# Altium PCB e-VEREST.PcbDoc (part 1 of 3)
Units mm, origin at the board's own origin, x right, y up, seen from the top; angles counter-clockwise.
Board outline 40 x 16 mm, 6 copper layers (Top Layer, InLayer1 (GND), InLayer2 (Signal), InLayer3 (PWR), InLayer4 (GND), Bottom Layer), stack 1.567 mm thick; 132 components, 181 nets, 912 pads, 411 vias.
Unrouted connection lines stored in the file: 2.
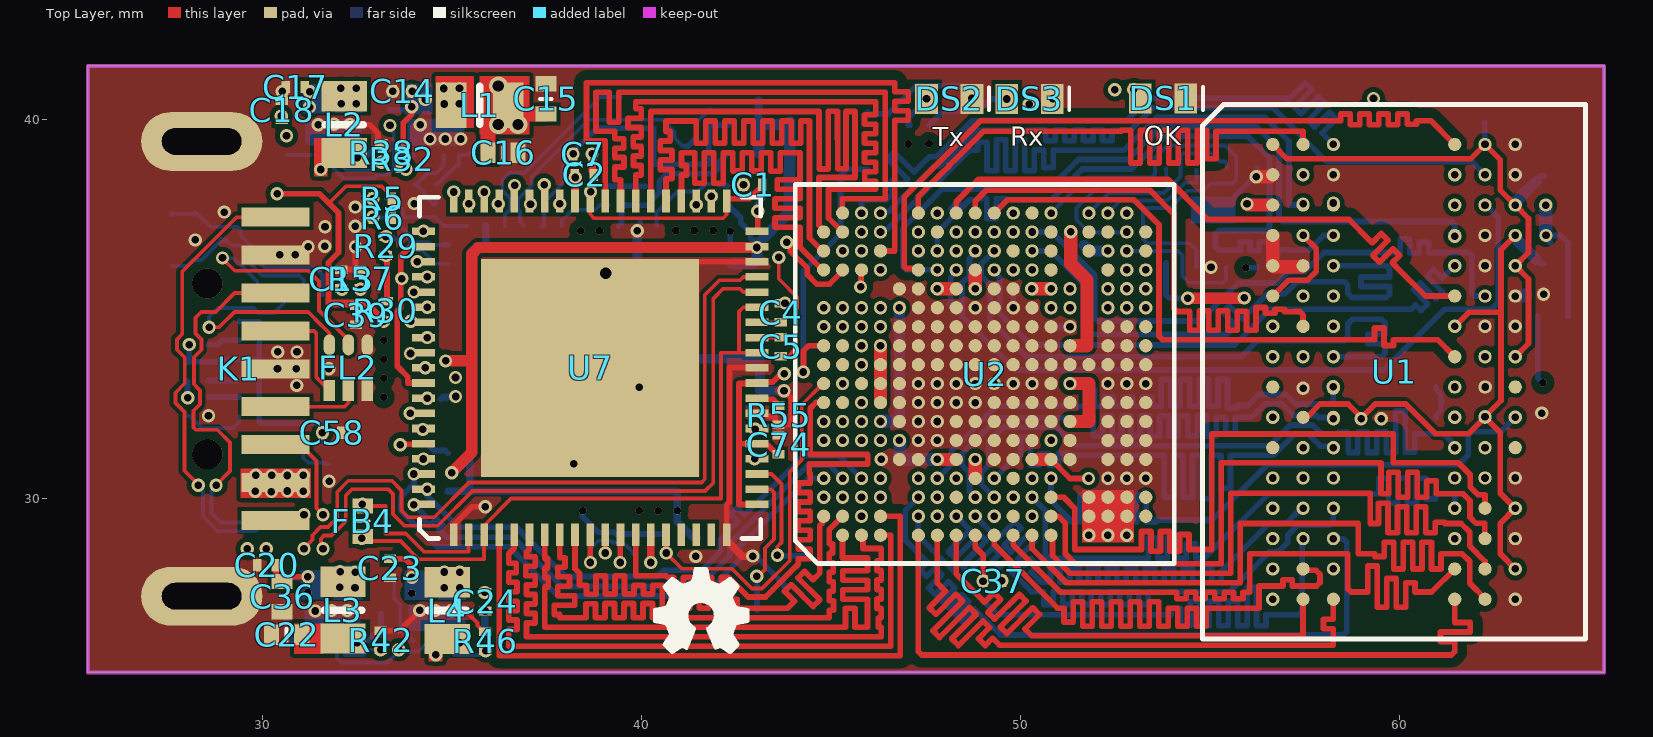
[diagram p0: Top Layer view]
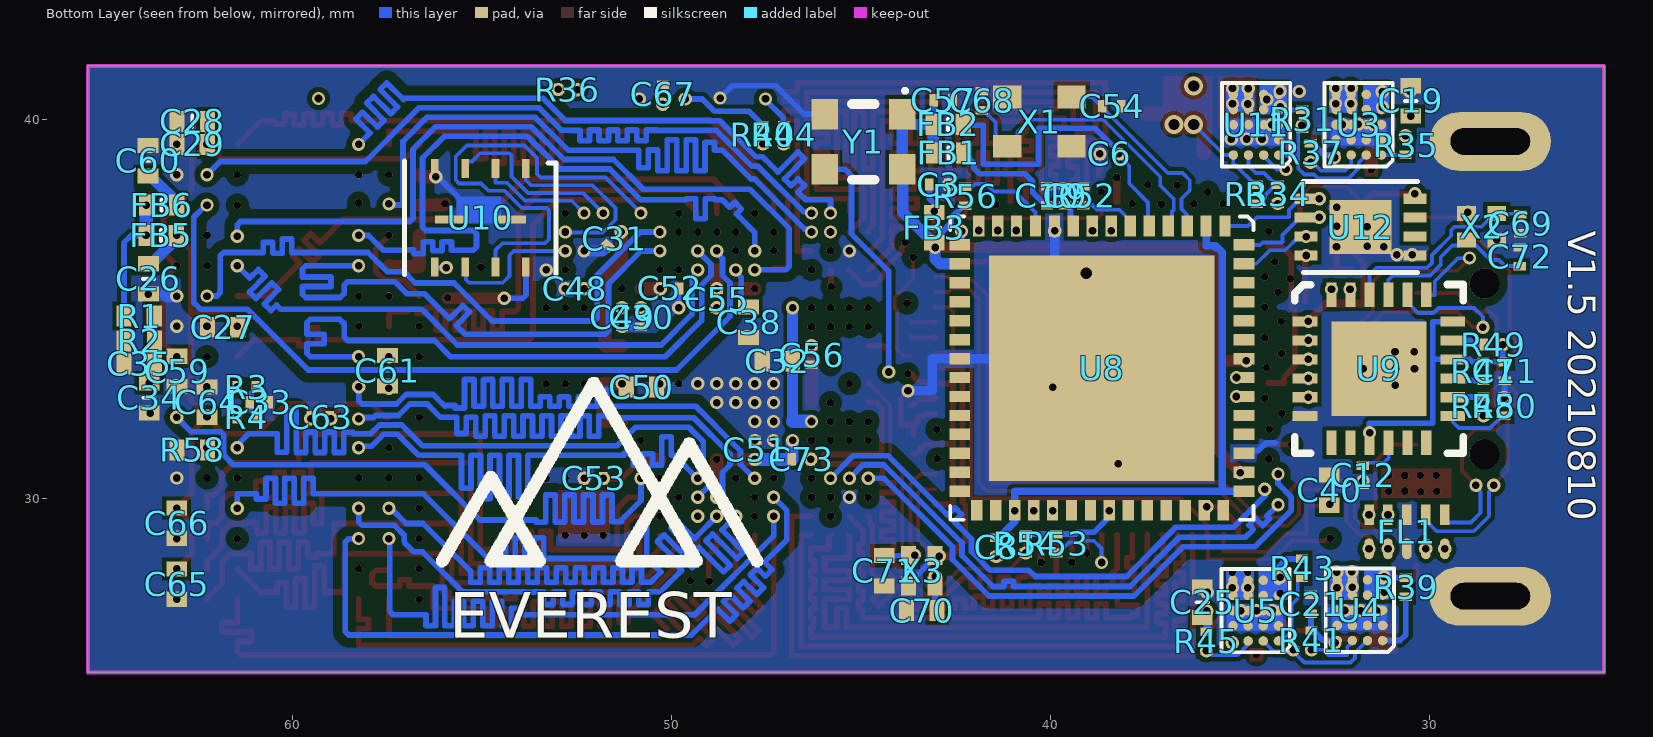
[diagram p1: Bottom Layer view, seen from below]
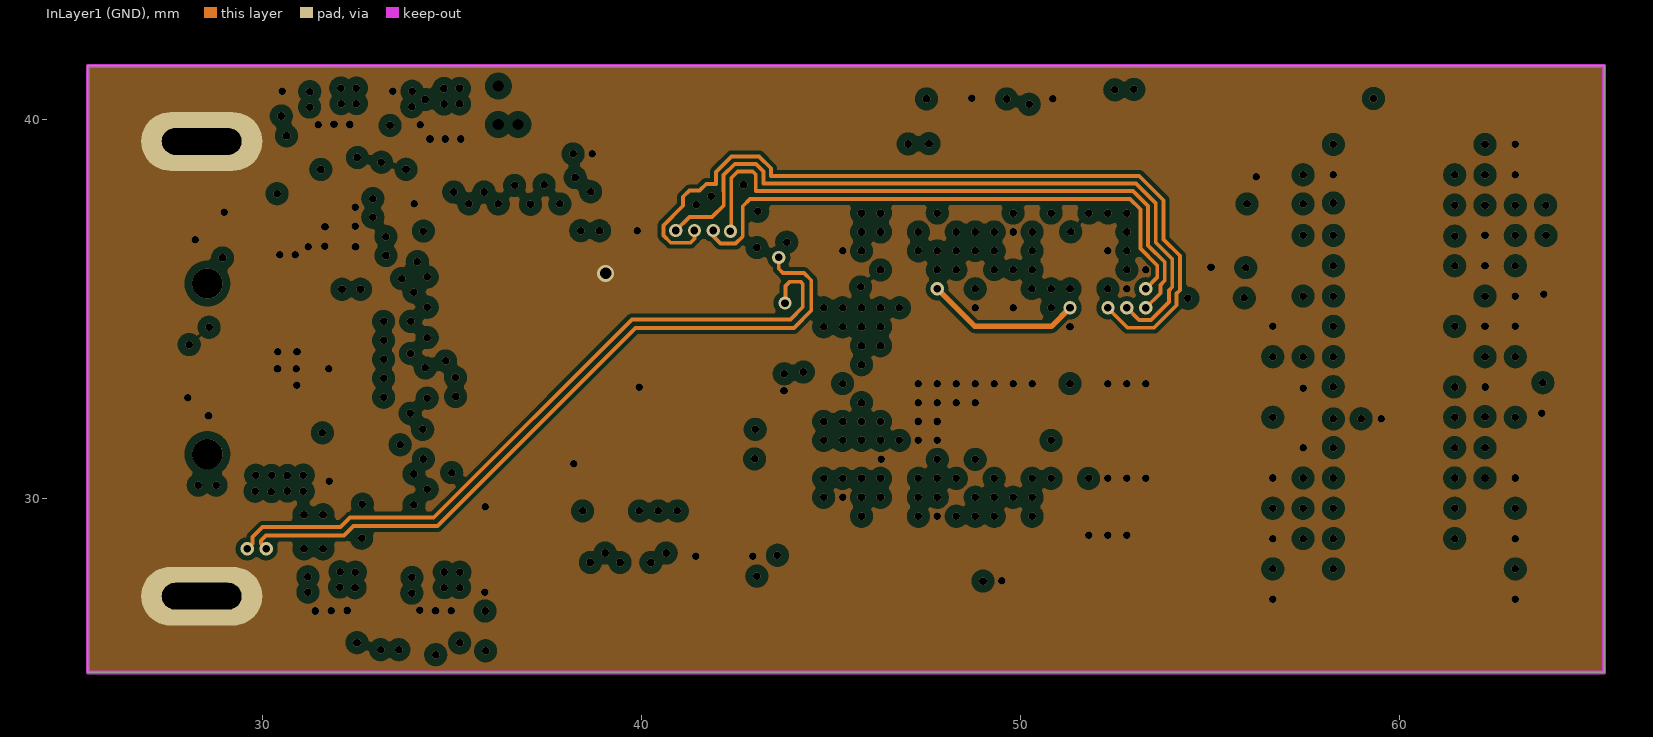
[diagram p2: InLayer1 (GND)]
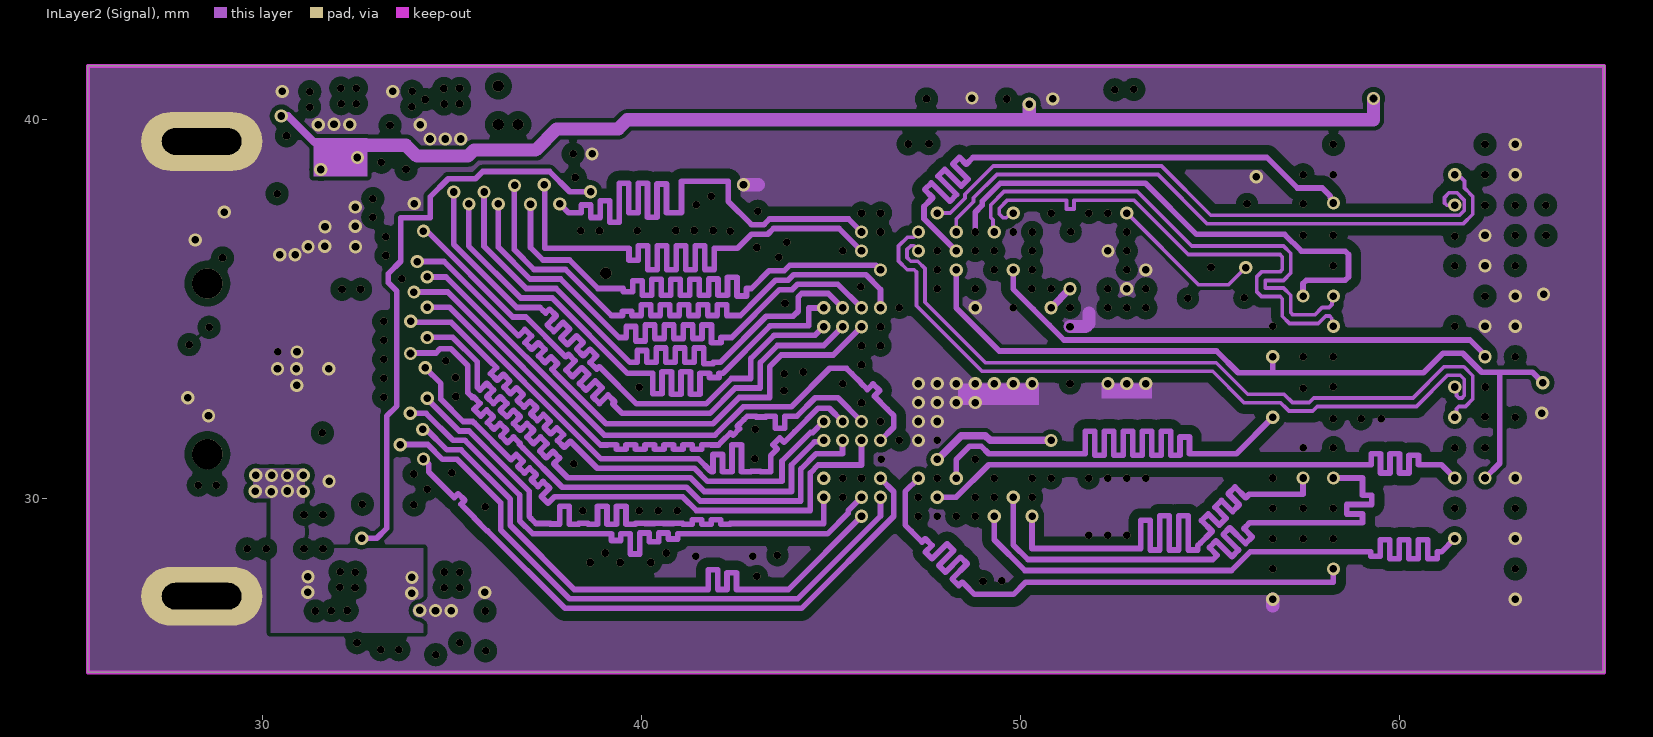
[diagram p3: InLayer2 (Signal)]
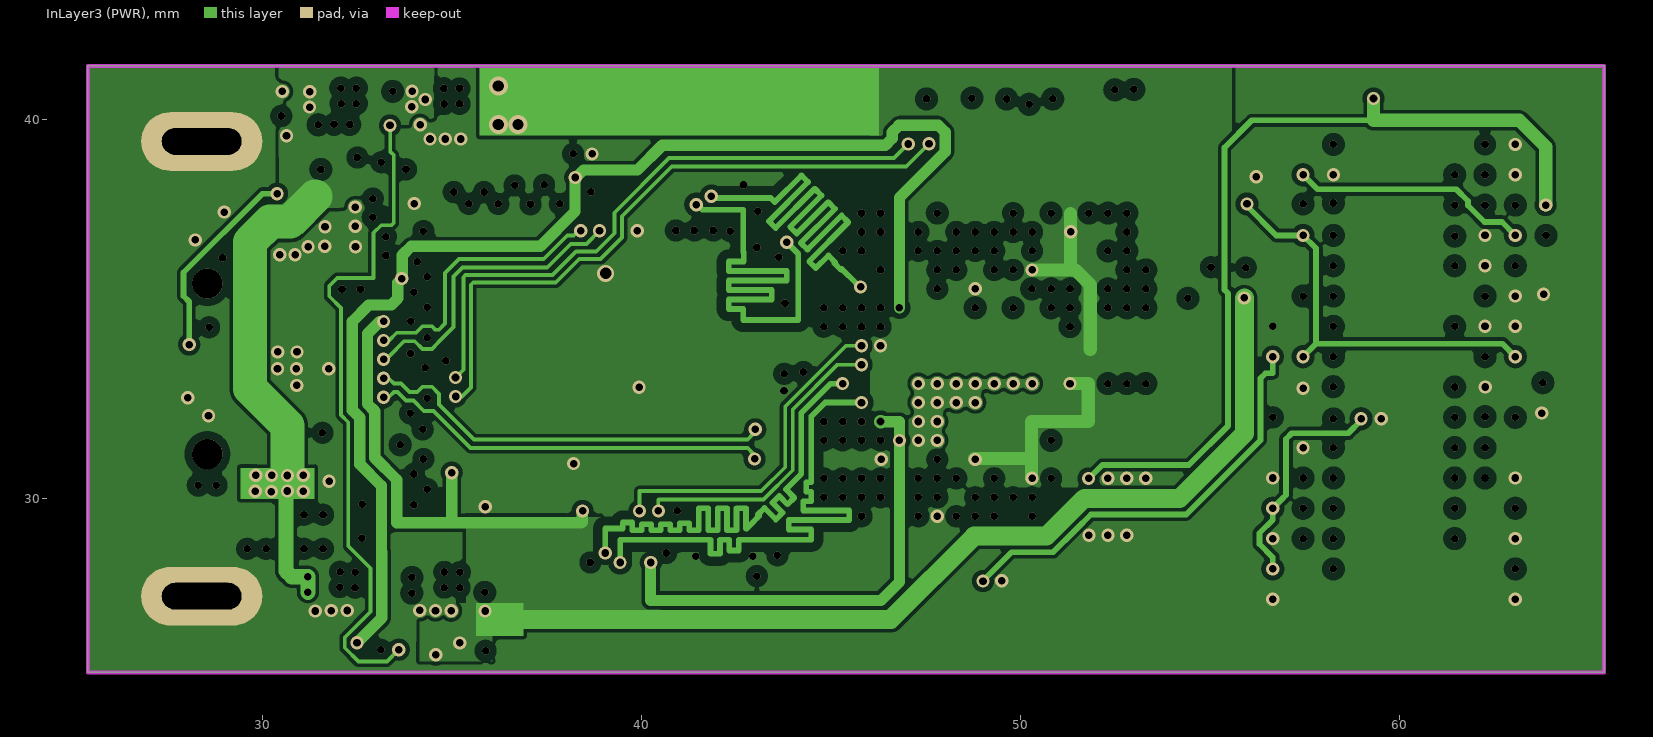
[diagram p4: InLayer3 (PWR)]
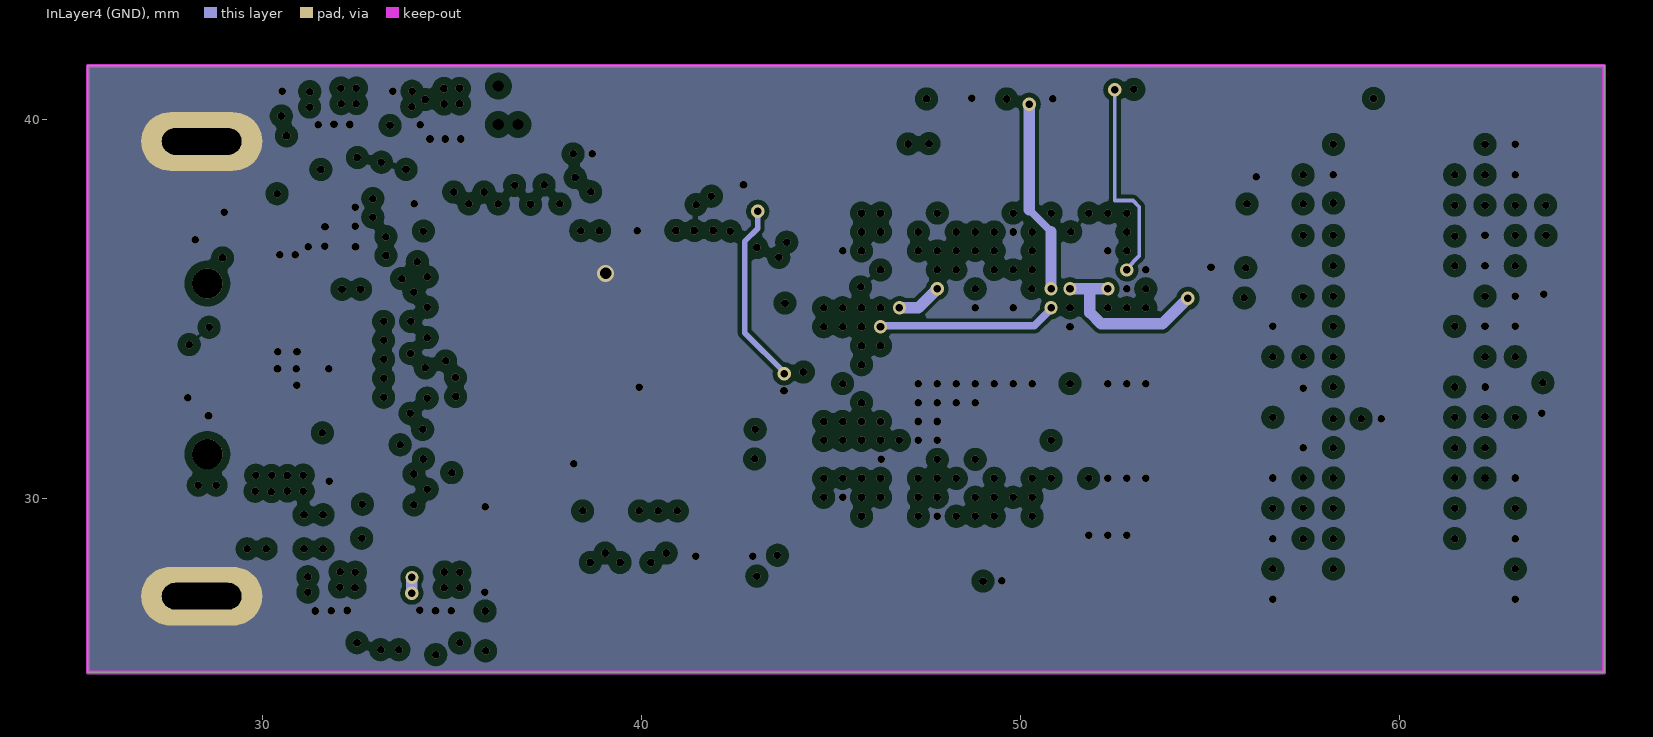
[diagram p5: InLayer4 (GND)]

## Layer stack, top to bottom
Top Solder: solder mask 0.013, SM-001, Dk 3.8
Top Layer: signal copper 0.035
Dielectric 1: prepreg 0.1143, JLC2313, Dk 4.05
InLayer1 (GND): signal copper 0.018
Dielectric 2: core 0.5334, Core-037, Dk 4.8
InLayer2 (Signal): signal copper 0.018
Dielectric 3: prepreg 0.1295, JLC2116, Dk 4.25
InLayer3 (PWR): signal copper 0.018
Dielectric 4: core 0.5334, Core-037, Dk 4.8
InLayer4 (GND): signal copper 0.018
Dielectric 5: prepreg 0.1143, JLC2313, Dk 4.05
Bottom Layer: signal copper 0.035
Bottom Solder: solder mask 0.013, SM-001, Dk 3.8

## Board outline
25.4,25.4 25.4,41.4 65.4,41.4 65.4,25.4

## Design rules (kind name [scope] priority, off if disabled: settings)
Clearance KeepEdge [All vs OnLayer('Keep-Out Layer')] p1: gap=0 ignorepadtopadclearanceinfootprint=FALSE
Clearance TopSignals [(OnLayer('Top Layer') OR OnLayer('Bottom Layer') OR  OnLayer('InLayer2 (Signal)') OR OnLayer('InLayer3 (PWR)')) vs (InNetClass('DRAM_DDR3_CLK') OR InNetClass('DRAM_DDR3_CTRL') OR InNetClass('DRAM_DDR3_DU') OR InNetClass('DRAM_DDR3_DL') OR InNetClass('USB_FIFO'))] p2: gap=0.1 ignorepadtopadclearanceinfootprint=FALSE except(0.15: Arc-Hole Track-Hole SMDPad-Hole THPad-Hole Via-Hole Fill-Hole Region-Hole Text-Hole; 0.2: Poly-Hole; 0.25: Track-Poly)
Clearance [All] p3: gap=0.1 ignorepadtopadclearanceinfootprint=FALSE except(0.15: Arc-Hole Track-Hole SMDPad-Hole THPad-Hole Via-Hole Fill-Hole Region-Hole Text-Hole; 0.2: Poly-Hole)
ComponentClearance [All] p1: gap=0.1 collisioncheckmode=3 verticalgap=0.1 showdistances=FALSE
DiffPairsRouting [All] p1: maxlimit=0.254 minlimit=0.125 mostfreqgap=0.125 toplayer_mingap=0.125 toplayer_maxgap=0.125 toplayer_minwidth=0.1 toplayer_maxwidth=0.1 toplayer_prefwidth=0.1 midlayer1_mingap=0.125 midlayer1_maxgap=0.125 midlayer1_minwidth=0.1 midlayer1_maxwidth=0.1 midlayer1_prefwidth=0.1 midlayer2_mingap=0.125 midlayer2_maxgap=0.125 midlayer2_minwidth=0.1 midlayer2_maxwidth=0.1 midlayer2_prefwidth=0.1 midlayer3_prefgap=0.125 midlayer3_minwidth=0.1 midlayer3_maxwidth=0.1 midlayer3_prefwidth=0.1 midlayer4_prefgap=0.125 midlayer4_minwidth=0.1 midlayer4_maxwidth=0.1 midlayer4_prefwidth=0.1 bottomlayer_mingap=0.125 bottomlayer_maxgap=0.125 bottomlayer_minwidth=0.1 bottomlayer_maxwidth=0.1 bottomlayer_prefwidth=0.1 maxuncoupledlength=12.7
FanoutControl Fanout_LCC [IsLCC] p1: bgadir=Out bgaviamode=Centered fanoutstyle=Auto fanoutdirection=Alternating viagrid=0.025 // Fanout_LCC (Default Rule)
FanoutControl Fanout_BGA [IsBGA] p2: bgadir=Out bgaviamode=Centered fanoutstyle=Auto fanoutdirection=Alternating viagrid=0.025 // Fanout_BGA (Default Rule)
FanoutControl Fanout_Small [(CompPinCount < 5)] p3: bgadir=Out bgaviamode=Centered fanoutstyle=Auto fanoutdirection=OutThenIn viagrid=0.025 // Fanout_Small (Default Rule)
FanoutControl Fanout_SOIC [IsSOIC] p4: bgadir=Out bgaviamode=Centered fanoutstyle=Auto fanoutdirection=Alternating viagrid=0.025 // Fanout_SOIC (Default Rule)
HoleSize [All] p1: absolutevalues=TRUE maxlimit=6.3 minlimit=0.2 maxpercent=80.000 minpercent=20.000
HoleToHoleClearance [All] p1: gap=0.2 allowstackedmicrovias=TRUE
MatchedLengths IntraDiffPair [InDifferentialPairClass('All Differential Pairs')] p1: tolerance=25.4 checknetsindiffpair=TRUE checkdiffpairvsdiffpair=FALSE checkxsignals=FALSE checkothers=FALSE usedelayunits=TRUE delaytolerance=0.010000
MatchedLengths DRAM_DDR3_CTRL [InNetClass('DRAM_DDR3_CTRL')] p2: tolerance=1 checknetsindiffpair=FALSE checkdiffpairvsdiffpair=TRUE checkxsignals=TRUE checkothers=TRUE usedelayunits=TRUE delaytolerance=0.100000
MatchedLengths DRAM_DDR3_DU [InNetClass('DRAM_DDR3_DU')] p3: tolerance=25.4 checknetsindiffpair=FALSE checkdiffpairvsdiffpair=TRUE checkxsignals=TRUE checkothers=TRUE usedelayunits=TRUE delaytolerance=0.100000
MatchedLengths DRAM_DDR3_DL [InNetClass('DRAM_DDR3_DL')] p4: tolerance=25.4 checknetsindiffpair=FALSE checkdiffpairvsdiffpair=TRUE checkxsignals=TRUE checkothers=TRUE usedelayunits=TRUE delaytolerance=0.100000
MatchedLengths USB_FIFO [InNetClass('USB_FIFO')] p5: tolerance=1 checknetsindiffpair=FALSE checkdiffpairvsdiffpair=TRUE checkxsignals=TRUE checkothers=TRUE
MinimumSolderMaskSliver [All] p1: minsoldermaskwidth=0
PlaneClearance [All] p1: clearance=0.5
PlaneConnect [All] p1: planeconnectstyle=Direct reliefexpansion=0.508 reliefentries=4 reliefconductorwidth=0.254 reliefairgap=0.254
PolygonConnect [All] p1: connectstyle=Direct reliefconductorwidth=0.254 reliefentries=4 polygonreliefangle="90 Angle" airgapwidth=0.254
RoutingCorners [All] p1: cornerstyle=45-Degree minsetback=2.5 maxsetback=2.5
RoutingVias [All] p1: holewidth=0.2 width=0.45 viastyle="Through Hole" minholewidth=0.2 minwidth=0.45 maxholewidth=6.3 maxwidth=6.58
SilkToBoardRegionClearance SilkToBoardRegionClearance_1 [All] p2:
SilkToSolderMaskClearance [IsPad] p1: minsilkscreentomaskgap=0.1 clearancetoexposedcopper=TRUE
SolderMaskExpansion [All] p1: expansion=0 istentingtop=FALSE
Width [All] p1: maxlimit=4 minlimit=0.1 preferedwidth=0.15
17 further rules are at their usual default settings.

## Classes and differential pairs
net class DRAM_DDR3_DU: DMU DQSU_N DQSU_P DRAM_DU0 DRAM_DU1 DRAM_DU2 DRAM_DU3 DRAM_DU4 DRAM_DU5 DRAM_DU6 DRAM_DU7
net class DRAM_DDR3_DL: DML DQSL_N DQSL_P DRAM_DL0 DRAM_DL1 DRAM_DL2 DRAM_DL3 DRAM_DL4 DRAM_DL5 DRAM_DL6 DRAM_DL7
net class DRAM_DDR3_CLK: CK_N CK_P
net class USB_FIFO: FT_BE0 FT_BE1 FT_BE2 FT_BE3 FT_CLK FT_D0 FT_D1 FT_D2 FT_D3 FT_D4 FT_D5 FT_D6 FT_D7 FT_D8 FT_D9 FT_D10 FT_D11 FT_D12 FT_D13 FT_D14 FT_D15 FT_D16 FT_D17 FT_D18 FT_D19 FT_D20 FT_D21 FT_D22 FT_D23 FT_D24 FT_D25 FT_D26 FT_D27 FT_D28 FT_D29 FT_D30 FT_D31 FT_OE FT_RD FT_RXF FT_TXE FT_WR
net class DRAM_DDR3_CTRL: CAS# CKE DRAM_A0 DRAM_A1 DRAM_A2 DRAM_A3 DRAM_A4 DRAM_A5 DRAM_A6 DRAM_A7 DRAM_A8 DRAM_A9 DRAM_A10 DRAM_A11 DRAM_A12 DRAM_A13 DRAM_A14 DRAM_A15 DRAM_BA0 DRAM_BA1 DRAM_BA2 NetU2_H15 NetU2_H17 NetU2_K17 ODT RAS# RESET# WE#
differential pair USBD: +USBD_P -USBD_N
differential pair SSTX: +SSTX_P -SSTX_N
differential pair SSRX: +SSRX_P -SSRX_N
differential pair U: +U_P -U_N
differential pair RID: +RID_P -RID_N
differential pair TOD: +TOD_P -TOD_N
differential pair D2: +D2_P -D2_N
differential pair D1: +D1_P -D1_N
differential pair DQSU: +DQSU_P -DQSU_N
differential pair DQSL: +DQSL_P -DQSL_N
differential pair CK: +CK_P -CK_N

## Components (designator, comment, footprint, x,y, rotation, side; value= is the part's Value field where it differs from the comment)
C1 "4.7u" SMD0201#1 42.945,38.268 r0 top
C2 "0.1u" SMD0201#1 38.498,38.525 r180 top
C3 "0.1u" SMD0201#1 42.948,38.271 r0 bottom
C4 "0.1u" SMD0201#1 43.68,34.89 r270 top
C5 "0.1u" SMD0201#1 43.68,33.99 r90 top
C6 "4.7u" SMD0201#1 38.45,39.08 r180 bottom
C7 "0.1u" SMD0201#1 38.45,39.07 r180 top
C8 "4.7u" SMD0201#1 41.434,28.702 r90 bottom
C9 "4.7u" SMD0201#1 39.615,37.981 r270 bottom
C10 "0.1u" SMD0201#1 40.095,37.979 r270 bottom
C11 "0.1u" SMD0201#1 28.02,33.34 r270 bottom
C12 "1u" SMD0201#1 31.762,30.606 r270 bottom
C13 "0.1u" SMD0201#1 32.085,35.78 r90 top
C14 "0.1u" SMD0201#1 33.691,40.73 r180 top
C15 "100n" SMD0402 37.48,40.53 r270 top
C16 "10u" SMD0402 36.35,39.11 r180 top
C17 "0.1u" SMD0201#1 30.873,40.845 r180 top
C18 "0.1u" SMD0201#1 30.516,40.235 r270 top
C19 "10u" SMD0402 30.5,40.48 r270 bottom
C20 "0.1u" SMD0201#1 30.11,28.23 r180 top
C21 "0.1u" SMD0201#1 33.13,27.2 r270 bottom locked
C22 "10u" SMD0402 30.641,26.393 r0 top
C23 "0.1u" SMD0201#1 33.366,28.152 r270 top
C24 "0.1u" SMD0201#1 35.878,27.27 r270 top
C25 "10u" SMD0402 36,27.25 r270 bottom
C26 "10u" SMD0402 63.806,35.78 r90 bottom
C27 "0.1u" SMD0402 61.848,34.509 r180 bottom
C28 "10u" SMD0402 62.65,39.94 r180 bottom
C29 "0.1u" SMD0402 62.653,39.33 r180 bottom
C30 "0.1u" SMD0201#1 50.808,34.769 r270 bottom
C31 "0.1u" SMD0201#1 51.51,36.84 r315 bottom
C32 "0.1u" SMD0402 47.21,33.61 r0 bottom
C33 "0.1u" SMD0201#1 60.877,32.532 r0 bottom
C34 "10u" SMD0402 63.786,32.644 r270 bottom
C35 "0.1u" SMD0402 64.05,33.54 r0 bottom
C36 "10u" SMD0402 30.523,27.401 r90 top
C37 "0.1u" SMD0201#1 49.27,27.81 r0 top
C38 "0.1u" SMD0402 47.97,34.64 r270 bottom
C39 "0.1u" SMD0201#1 32.47,34.82 r90 top
C40 "0.1u" SMD0402 32.65,30.21 r90 bottom
C48 "0.1u" SMD0201#1 52.56,35.52 r0 bottom
C49 "0.1u" SMD0201#1 51.31,34.77 r270 bottom
C50 "0.1u" SMD0402 50.8,32.93 r180 bottom
C51 "0.1u" SMD0201#1 47.79,31.27 r90 bottom
C52 "0.1u" SMD0201#1 50.05,35.53 r180 bottom
C53 "0.1u" SMD0201#1 52.051,30.518 r0 bottom
C54 "27p" SMD0201#1 38.39,40.34 r180 bottom
C55 "0.1u" SMD0201#1 48.81,35.25 r270 bottom
C56 "0.1u" SMD0201#1 46.31,33.77 r270 bottom
C57 "0.1u" SMD0201#1 42.84,40.5 r180 bottom
C58 "0.1u" SMD0201#1 31.83,31.72 r0 top
C59 "0.1u" SMD0402 63.05,33.34 r270 bottom
C60 "10u" SMD0402 63.819,38.9 r90 bottom
C61 "0.1u" SMD0402 57.5,33.36 r270 bottom
C63 "0.1u" SMD0201#1 59.27,32.13 r0 bottom
C64 "0.1u" SMD0402 62.26,32.53 r90 bottom
C65 "0.1u" SMD0402 63.06,27.73 r270 bottom
C66 "0.1u" SMD0402 63.06,29.34 r270 bottom
C67 "0.1u" SMD0201#1 50.23,40.65 r90 bottom
C68 "27p" SMD0201#1 41.82,40.48 r270 bottom
C69 "18p" SMD0201#1 27.61,37.24 r90 bottom
C70 "18p" SMD0402 43.4,27.03 r0 bottom
C71 "18p" SMD0402 44.39,28.08 r270 bottom
C72 "18p" SMD0201#1 27.62,36.37 r270 bottom
C73 "0.1u" SMD0201#1 46.577,31.021 r180 bottom
C74 "0.1u" SMD0201#1 43.62,31.41 r270 top
DS1 "LED 0603" LED0603 53.766,40.542 r0 top
DS2 "LED 0603" LED0603 48.125,40.531 r0 top
DS3 "LED 0603" LED0603 50.24,40.53 r0 top
FB1 "600R/0.5A" SMD0402 42.694,39.106 r0 bottom
FB2 "600R/0.5A" SMD0402 42.708,39.858 r0 bottom
FB3 "600R/0.5A" SMD0402 43.071,37.138 r90 bottom
FB4 "600R/0.5A" SMD0402 32.65,29.39 r90 top
FB5 "600R/0.5A" SMD0402 63.47,36.93 r180 bottom
FB6 "600R/0.5A" SMD0402 63.46,37.73 r180 bottom
FL1 "ECMF04-4HSWM10" SON50P135X260X55-10N-D 30.6,29.11 r270 bottom locked
FL2 "ECMF02-2AMX6" SON50P150X170X55-6N-D 32.27,33.44 r90 top locked
K1 "USB" USB-TYPE-A-3.0 28.4,33.41 r0 top locked
L1 "0.47u" SMD0805 35.738,40.362 r0 top
L2 "0.47u" SMD0805 32.157,39.854 r270 top locked
L3 "0.47u" SMD0805 32.128,27.043 r270 top locked
L4 "0.47u" SMD0805 34.881,27.032 r270 top locked
R1 "1k" SMD0402 64.05,34.8 r180 bottom
R2 "1k" SMD0402 64.046,34.148 r180 bottom
R3 "51R" SMD0201#1 61.219,32.929 r180 bottom
R4 "51R" SMD0201#1 61.218,32.13 r0 bottom
R5 "10k" SMD0201#1 33.17,37.9 r0 top
R6 "10k" SMD0201#1 33.17,37.4 r0 top
R29 "2k" SMD0201#1 33.26,36.65 r270 top
R30 "10k" SMD0201#2 33.29,34.94 r270 top
R31 "100k" SMD0201#1 33.36,39.99 r270 bottom
R32 "100k" SMD0201#1 33.68,38.94 r90 top
R33 "100k" SMD0201#1 34.56,38.02 r90 bottom
R34 "266.6k" SMD0201#1 34.01,38.02 r90 bottom
R35 "100k" SMD0201#1 30.637,39.307 r270 bottom
R36 "1k6" SMD0201#1 52.749,40.778 r180 bottom
R37 "100k" SMD0201#1 33.142,39.111 r90 bottom
R38 "145.5k" SMD0201#1 33.142,39.111 r270 top
R39 "100k" SMD0201#1 30.627,27.644 r270 bottom locked
R40 "1k6" SMD0201#1 47.591,39.588 r270 bottom
R41 "100k" SMD0201#1 33.12,26.25 r90 bottom locked
R42 "47k" SMD0201#1 33.127,26.248 r270 top locked
R43 "100k" SMD0201#1 33.366,28.144 r270 bottom
R44 "1k6" SMD0201#1 47.037,39.592 r270 bottom
R45 "100k" SMD0201#1 35.89,26.22 r90 bottom
R46 "32k" SMD0201#1 35.885,26.225 r270 top
R47 "100k" SMD0201#1 28.58,33.35 r270 bottom
R48 "50k" SMD0201#1 28.58,32.42 r270 bottom
R49 "50k" SMD0201#1 28.32,34.05 r0 bottom
R50 "50k" SMD0201#1 28.03,32.42 r90 bottom
R52 "12k" SMD0201#1 39.14,37.981 r270 bottom
R53 "1k" SMD0201#1 39.85,28.8 r270 bottom
R54 "10k" SMD0201#1 40.66,28.8 r270 bottom
R55 "1k6" SMD0201#1 43.62,32.19 r270 top
R56 "4.7k" SMD0201#1 42.253,37.964 r90 bottom
R57 "12k" SMD0201#1 32.59,35.78 r270 top
R58 "240R" SMD0402 62.65,31.27 r0 bottom
U1 "IS43TR16512BL-125KB" *BGA96C80P9X16_1000X1400X140N_IS43TR16512AL-125KBL(PRIMARY) 59.86,33.33 r0 top locked
U2 "LFE5U-85F-8MG285C" *BGA285N50P18X18_1000X1000X130 49.06,33.27 r90 top locked
U3 "FAN53541" WLCSP20P4X5 31.272,39.051 r0 bottom locked
U4 "FAN53541" WLCSP20P4X5 31.24,26.24 r0 bottom locked
U5 "FAN53541" WLCSP20P4X5 33.99,26.23 r0 bottom locked
U7 "FT601Q-B-T" FT601Q 38.65,33.435 r90 top locked
U8 "FT2232H-56Q" QFN50P800X800X100-57N-D 38.65,33.43 r270 bottom locked
U9 "USB2422" QFN-MJ24 31.34,33.41 r180 bottom locked
U10 "GD25Q32CNIGR" *SON50P300X400X100-9N 55.798,37 r270 bottom
U11 "FAN53541" WLCSP20P4X5 33.98,39.05 r0 bottom locked
U12 "93LC46" *SON50P200X300X100-9N 31.825,37.15 r180 bottom locked
X1 "12Mhz" CRYSTAL2520 40.3,39.93 r0 bottom
X2 "24Mhz" CRYSTAL1210 28.63,37.16 r180 bottom locked
X3 "30Mhz" CRYSTAL1210 43.405,28.081 r90 bottom
Y1 "32Mhz" TY 44.941,39.399 r0 bottom locked
